# KiCad board nvme Carrier for LattePanda Mu.kicad_pcb (continued)
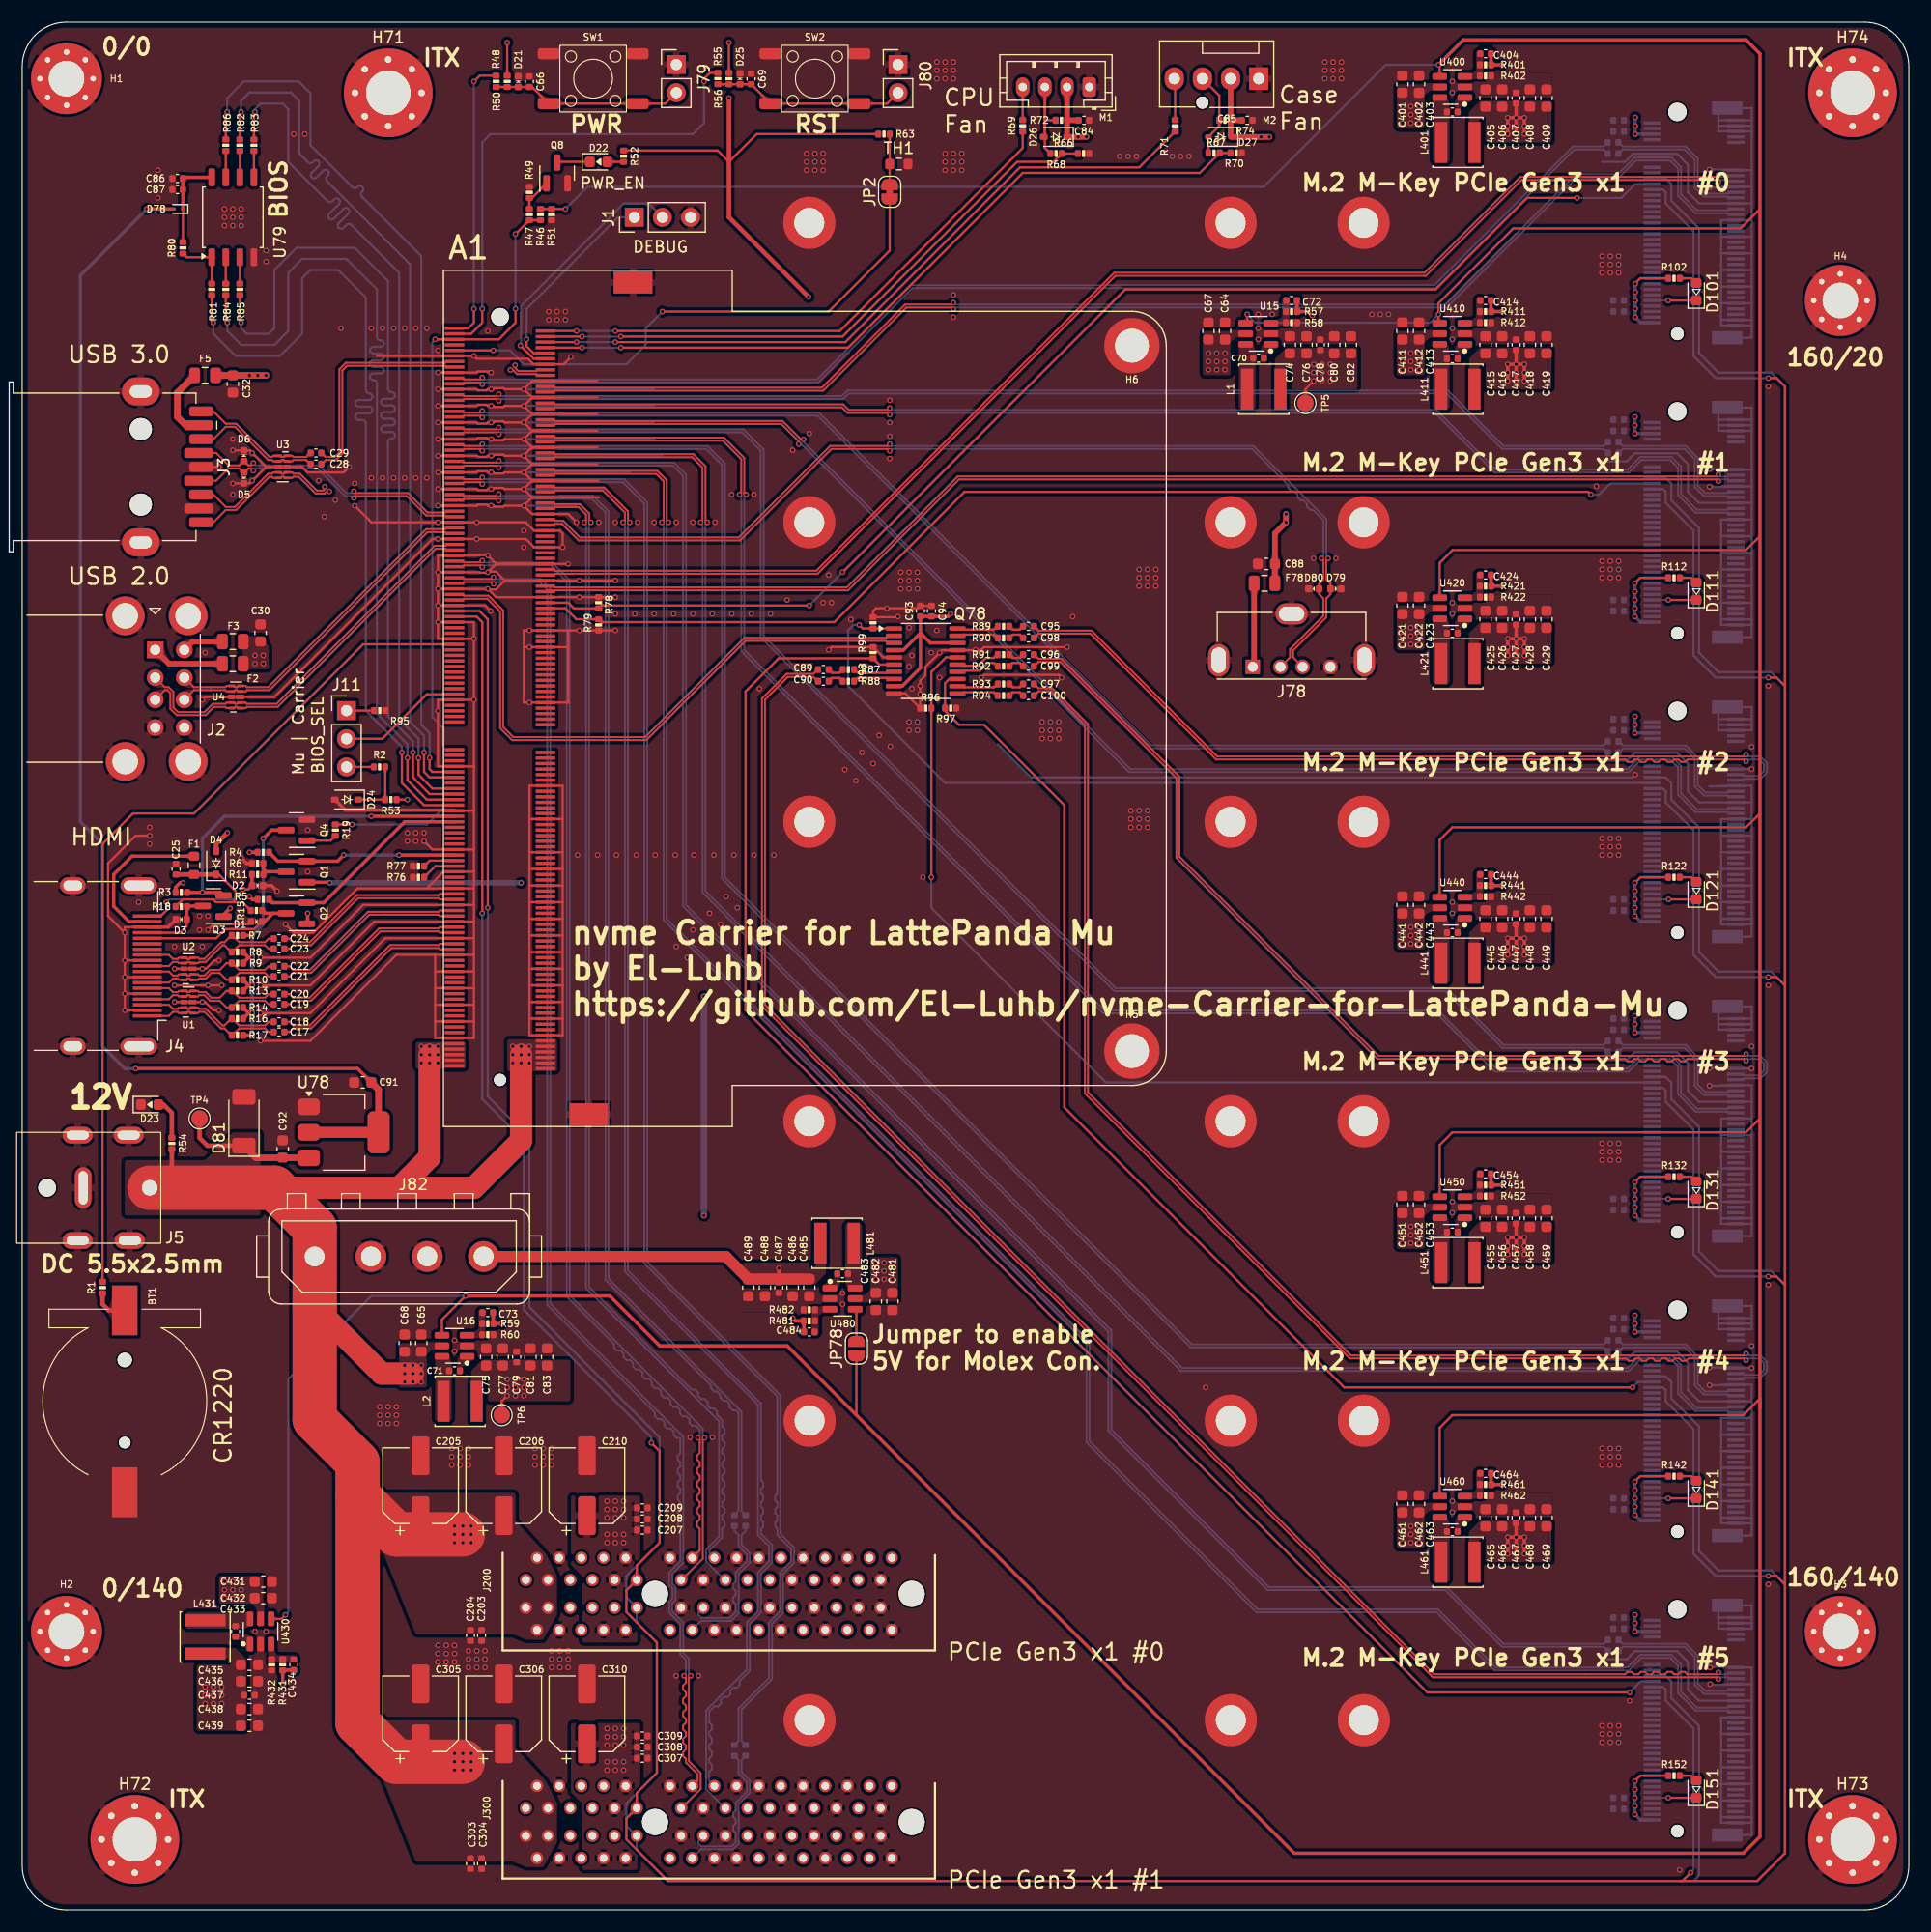
[diagram p0: board, top side]
## Copper pours and planes (outline as drawn; the poured copper is in the pictures) (continued)
Net-(U410-FB) on Top: 129.5,142.75 129.5,143.35 130.75,143.35 131.15,143.6 131.15,145.35 131.8,145.35 131.8,142.75
Net-(U410-SW) on Top: 127.25,135.35 128.75,135.35 128.75,140.6 128.5,141.35 127.25,141.35
Net-(U420-BOOST) on Top: 129.5,116.6 130.75,116.6 130.75,116.1 129.75,115.5 129.75,114.85 129.25,114.85 129.25,116.1
Net-(U420-FB) on Top: 129.5,118 129.5,118.6 130.75,118.6 131.15,118.85 131.15,120.6 131.8,120.6 131.8,118
Net-(U420-SW) on Top: 127.25,110.6 128.75,110.6 128.75,115.85 128.5,116.6 127.25,116.6
Net-(U430-BOOST) on Top: 20.75,24.6 20.75,23.35 20.25,23.35 19.65,24.35 19,24.35 19,24.85 20.25,24.85
Net-(U430-FB) on Top: 22.15,24.6 22.75,24.6 22.75,23.35 23,22.95 24.75,22.95 24.75,22.3 22.15,22.3
Net-(U430-SW) on Top: 14.75,26.85 14.75,25.35 20,25.35 20.75,25.6 20.75,26.85
Net-(U440-BOOST) on Top: 129.5,89.6 130.75,89.6 130.75,89.1 129.75,88.5 129.75,87.85 129.25,87.85 129.25,89.1
Net-(U440-FB) on Top: 129.5,91 129.5,91.6 130.75,91.6 131.15,91.85 131.15,93.6 131.8,93.6 131.8,91
Net-(U440-SW) on Top: 127.25,83.6 128.75,83.6 128.75,88.85 128.5,89.6 127.25,89.6
Net-(U450-BOOST) on Top: 129.5,62.6 130.75,62.6 130.75,62.1 129.75,61.5 129.75,60.85 129.25,60.85 129.25,62.1
Net-(U450-FB) on Top: 129.5,64 129.5,64.6 130.75,64.6 131.15,64.85 131.15,66.6 131.8,66.6 131.8,64
Net-(U450-SW) on Top: 127.25,56.6 128.75,56.6 128.75,61.85 128.5,62.6 127.25,62.6
Net-(U460-BOOST) on Top: 129.5,35.6 130.75,35.6 130.75,35.1 129.75,34.5 129.75,33.85 129.25,33.85 129.25,35.1
Net-(U460-FB) on Top: 129.5,37 129.5,37.6 130.75,37.6 131.15,37.85 131.15,39.6 131.8,39.6 131.8,37
Net-(U460-SW) on Top: 127.25,29.6 128.75,29.6 128.75,34.85 128.5,35.6 127.25,35.6
Net-(U480-BOOST) on Top: 73.5,55.85 72.25,55.85 72.25,56.35 73.25,56.95 73.25,57.6 73.75,57.6 73.75,56.35
Net-(U480-FB) on Top: 73.5,54.45 73.5,53.85 72.25,53.85 71.85,53.6 71.85,51.85 71.2,51.85 71.2,54.45
Net-(U480-SW) on Top: 75.75,61.85 74.25,61.85 74.25,56.6 74.5,55.85 75.75,55.85

Small or netless copper shapes (teardrops, artwork), in the pictures only: 428 on Top, 300 on Bottom

## Text on the board
F.Silkscreen: PWR_EN | DEBUG | Mu | Carrier | BIOS_SEL | USB 3.0 | USB 2.0 | HDMI | CPU / Fan | PCIe Gen3 x1 #0 | PCIe Gen3 x1 #1 | Case / Fan | CR1220 | DC 5.5x2.5mm | 0/0 | 0/140 | ITX | PWR | RST | Jumper to enable / 5V for Molex Con. | M.2 M-Key PCIe Gen3 x1	#0 | M.2 M-Key PCIe Gen3 x1	#1 | M.2 M-Key PCIe Gen3 x1	#2 | M.2 M-Key PCIe Gen3 x1	#3 | M.2 M-Key PCIe Gen3 x1	#4 | M.2 M-Key PCIe Gen3 x1	#5 | 160/20 | 160/140 | BIOS | nvme Carrier for LattePanda Mu / by El-Luhb / https://github.com/El-Luhb/nvme-Carrier-for-LattePanda-Mu | 12V
